# KiCad board fuyu.kicad_pcb (continued)
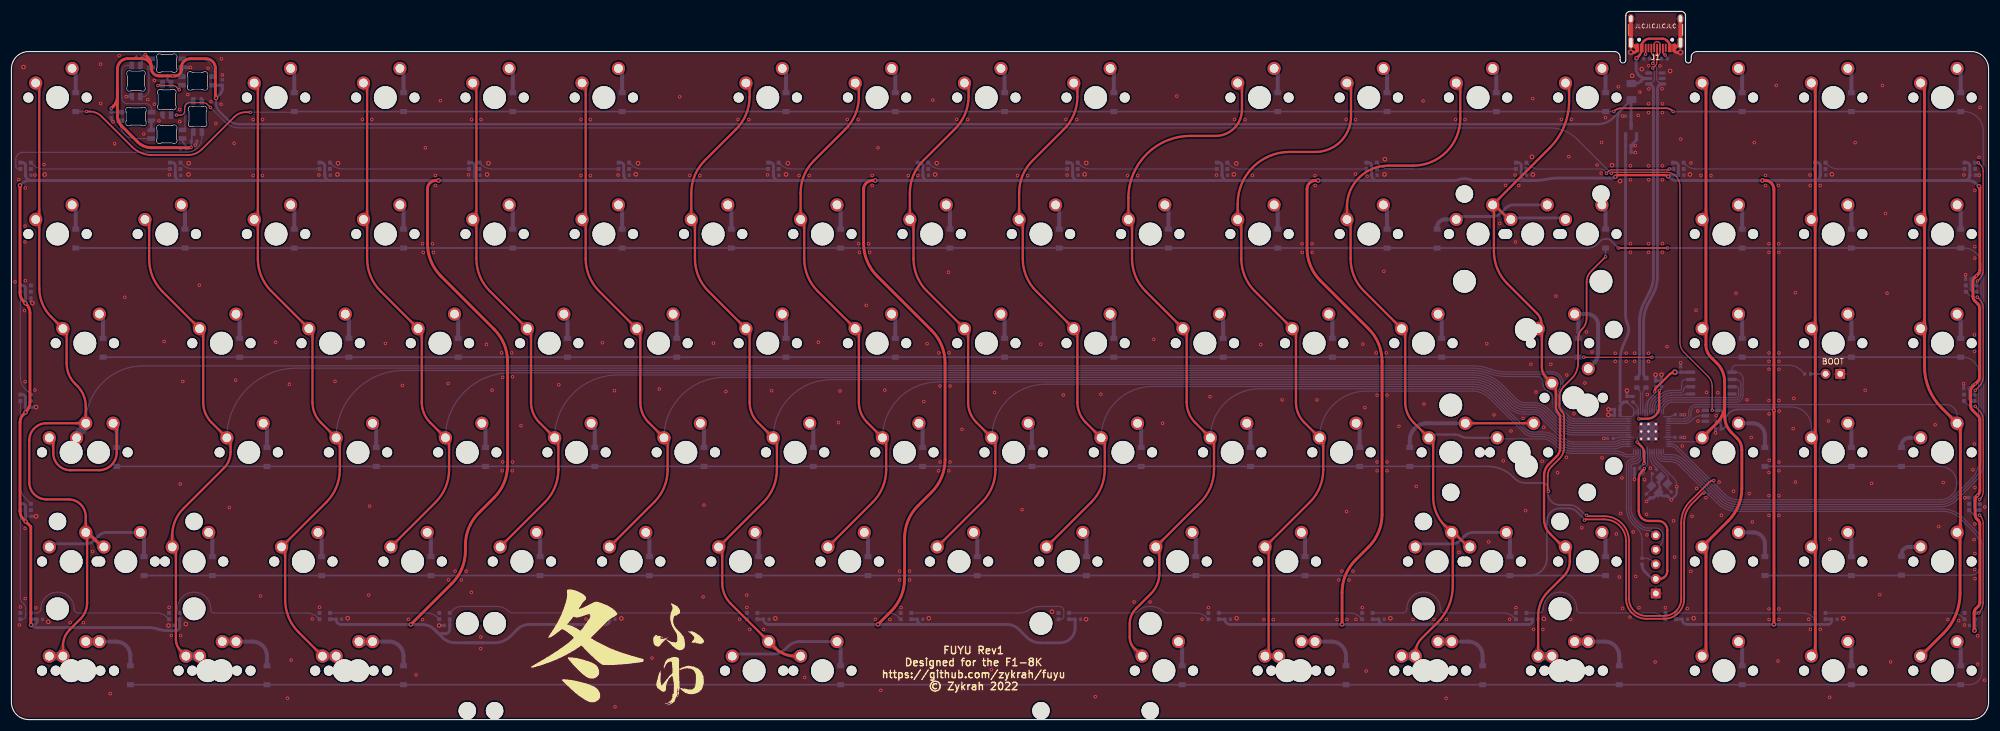
[diagram p0: board, top side]
## Routing (per net, layer and track width the routed paths; a pad name or vN(x,y) marks a point on that pad's centre or on a via; arc(x,y) is an arc through that point) (continued)
/D_+: length 4.4
  Bottom w0.2: R2.2 284.71,57.69 arc(284.47,57.33) 284.39,56.91 284.39,53.74
/D_-: length 4.4
  Bottom w0.2: R3.2 283.69,57.6 arc(283.91,57.28) 283.99,56.89 283.99,53.74
/XTAL_O: length 3.8
  Bottom w0.2: 285.92,42.77 Y1.1 285.92,40.27 C16.2
/~{USB_BOOT}: length 2.6
  Bottom w0.4: R5.1 SW0.2
ARGB_3V3: length 6.9
  Bottom w0.2: U2.4 291.71,51.67 arc(292.3,51.79) 292.8,52.12 293.17,52.49 arc(293.74,52.87) 294.41,53.01 U5.2
ARGB_5V: length 312.9
  Top w0.2: v1(296.49,53.96) 296.49,58.15 arc(296.3,59.1) 295.76,59.91 291.61,64.06 arc(291.06,64.88) 290.87,65.85 290.87,93.16 arc(290.18,94.82) 288.51,95.51 279.11,95.51 v1(278.91,95.31) ; v1(28.76,105.47) 29.48,105.47 arc(29.97,105.67) 30.17,106.16 30.17,106.66 arc(30.47,107.36) 31.17,107.66 33.43,107.66 arc(33.81,107.58) 34.14,107.36 v1(34.7,106.81)
  Bottom w0.2: v1(296.49,53.96) U5.4 ; v1(28.76,105.47) 28.76,105.46 LED1.3 ; v1(278.91,95.31) 272.89,101.32 arc(270.76,102.75) 268.24,103.25 39.74,103.25 arc(38.37,103.52) 37.21,104.29 37.21,104.3 v1(34.7,106.81)
COL0: length 412
  Top w0.4: SW1.1 4.85,110.44 4.85,87.9 4.22,87.27 4.85,86.63 4.85,75.26 arc(5.39,72.56) 6.92,70.28 SW36.1 9.61,67.58 9.61,62.15 arc(9.99,60.24) 11.08,58.62 11.48,58.21 arc(12.57,56.59) 12.95,54.68 SW54.2 6.11,51.7 arc(3.98,50.83) 3.11,48.7 3.11,41.42 arc(3.98,39.3) 6.11,38.42 9.95,38.42 arc(12.07,37.54) 12.95,35.42 SW72.2 13.19,32.42 13.19,20.37 arc(12.88,18.84) 12.01,17.55 10.15,15.68 arc(9.28,14.38) 8.98,12.85 SW92.1
  Top w0.5: SW73.1 15.82,30.12 13.28,32.66 SW72.2
  Bottom w0.2: U2.41 272.42,52.47 arc(272,52.55) 271.64,52.79 270.54,53.9 arc(270.14,54.5) 270,55.2 270,56.59 arc(270.05,57.03) 270.21,57.44 arc(270.42,57.97) 270.49,58.53 270.49,58.72 arc(269.92,60.09) 268.55,60.66 260.72,60.66 arc(259.2,60.79) 257.73,61.2 arc(256.32,61.59) 254.86,61.72 22.96,61.72 arc(15.88,58.78) SW54.2
  Bottom w1.5: SW92.1 SW91.1 ; SW54.2 12.95,51.23 11.36,49.64 SW55.1
COL1: length 346.9
  Top w0.4: SW93.1 29.54,11.93 arc(28.89,12.91) 28.66,14.05 28.66,29.48 SW74.1 28.03,32.15 arc(28.53,34.67) 29.96,36.81 37.04,43.89 arc(37.89,45.16) 38.19,46.66 38.19,48.53 SW56.1 34.89,51.83 arc(33.81,53.45) 33.42,55.36 33.42,67.58 SW37.1 26.35,74.66 arc(24.61,77.25) 24.01,80.31 24.01,86.53 23.27,87.27
  Bottom w0.2: U2.40 272.39,52.07 arc(271.84,52.18) 271.37,52.49 270.19,53.67 arc(269.73,54.36) 269.56,55.18 269.56,56.64 arc(269.63,57.14) 269.81,57.6 arc(270.02,58.11) 270.09,58.66 270.09,58.71 arc(269.63,59.81) 268.54,60.26 260.71,60.26 arc(259.12,60.4) 257.58,60.82 arc(256.23,61.19) 254.84,61.32 49.7,61.32 arc(41.11,57.76) SW56.1
  Bottom w1.5: SW94.1 SW93.1
COL2: length 352.5
  Top w0.4: SW2.1 42.95,110.44 42.95,87.9 42.31,87.27 42.95,86.63 42.95,80.42 arc(43.56,77.36) 45.29,74.76 SW38.1 52.48,67.58 52.48,55.36 arc(52.86,53.45) 53.94,51.83 SW57.1 57.24,48.53 57.24,43.59 arc(56.63,40.53) 54.89,37.93 SW75.1 47.71,29.48 47.71,20.89 arc(48.32,17.83) 50.06,15.23 SW95.1
  Bottom w0.2: U2.38 272.35,51.27 arc(271.52,51.44) 270.82,51.9 269.53,53.19 arc(268.94,54.07) 268.74,55.11 268.74,55.89 arc(268.51,56.7) 267.9,57.28 267.76,57.35 arc(267.19,57.88) 266.99,58.63 266.99,58.93 arc(266.71,59.59) 266.06,59.86 260.69,59.86 arc(259.04,60) 257.45,60.44 arc(256.15,60.8) 254.82,60.92 68.36,60.92 arc(60.04,57.48) SW57.1
  Bottom w1.5: SW95.1 SW96.1
COL3: length 307.1
  Top w0.4: SW3.1 62,110.44 62,87.9 61.37,87.27 62,86.63 62,80.42 arc(62.61,77.36) 64.34,74.76 SW39.1 71.53,67.58 71.53,55.36 arc(71.91,53.45) 72.99,51.83 SW58.1 76.29,48.53 76.29,43.59 arc(75.68,40.53) 73.94,37.93 SW76.1
  Bottom w0.2: U2.37 272.33,50.87 arc(271.35,51.07) 270.52,51.62 267.88,54.26 arc(266.76,55.01) 265.42,55.28 263.9,55.28 arc(263.08,55.44) 262.39,55.9 259.88,58.41 arc(257.55,59.97) 254.79,60.52 87.01,60.52 arc(78.98,57.19) SW58.1
COL4: length 287.8
  Top w0.4: SW4.1 81.05,110.44 81.05,87.9 80.42,87.27 81.05,86.63 81.05,80.42 arc(81.66,77.36) 83.39,74.76 SW40.1 90.58,67.58 90.58,55.36 arc(90.96,53.45) 92.04,51.83 SW59.1 95.34,48.53 95.34,43.59 arc(94.73,40.53) 92.99,37.93 SW77.1
  Bottom w0.2: U2.36 272.31,50.47 arc(271.19,50.69) 270.25,51.33 267.61,53.96 arc(266.6,54.64) 265.4,54.88 263.88,54.88 arc(262.92,55.07) 262.11,55.61 259.61,58.11 arc(257.39,59.6) 254.77,60.12 105.65,60.12 arc(97.91,56.91) SW59.1
COL5: length 268.5
  Top w0.4: SW78.1 112.04,37.93 arc(113.78,40.53) 114.39,43.59 114.39,48.53 SW60.1 111.09,51.83 arc(110.01,53.45) 109.63,55.36 109.63,67.58 SW41.1 102.44,74.76 arc(100.71,77.36) 100.1,80.42 100.1,86.63 99.46,87.27 100.1,87.9 100.1,110.44 SW5.1
  Bottom w0.2: U2.35 272.29,50.07 arc(271.03,50.32) 269.97,51.03 267.32,53.68 arc(266.44,54.27) 265.4,54.48 263.87,54.48 arc(262.77,54.7) 261.83,55.32 259.33,57.82 arc(257.23,59.22) 254.75,59.72 124.31,59.72 arc(116.84,56.63) SW60.1
COL6: length 278.8
  Top w0.4: SW6.1 128.68,110.44 128.68,108.68 arc(128.07,105.61) 126.33,103.02 120.86,97.55 arc(119.12,94.95) 118.52,91.89 118.52,87.27 119.15,86.63 119.15,80.42 arc(119.76,77.36) 121.49,74.76 SW42.1 128.68,67.58 128.68,55.36 arc(129.06,53.45) 130.14,51.83 SW61.1 133.44,48.53 133.44,43.59 arc(132.83,40.53) 131.09,37.93 SW79.1 123.91,29.48 123.91,23.77 arc(124.29,21.86) 125.38,20.24 132.01,13.6
  Top w0.5: 132.01,13.6 133.08,12.53 arc(134.71,11.45) 136.62,11.06 SW98.1
  Bottom w0.2: U2.34 272.27,49.67 arc(270.88,49.95) 269.7,50.74 267.04,53.39 arc(266.28,53.9) 265.39,54.08 263.85,54.08 arc(262.61,54.33) 261.55,55.03 259.05,57.53 arc(257.07,58.85) 254.74,59.32 142.95,59.32 arc(135.78,56.34) SW61.1
COL7: length 233.7
  Top w0.4: SW7.1 147.73,110.44 147.73,108.68 arc(147.12,105.61) 145.38,103.02 139.91,97.55 arc(138.17,94.95) 137.56,91.89 137.56,87.27 138.2,86.63 138.2,80.42 arc(138.81,77.36) 140.54,74.76 SW43.1 147.73,67.58 147.73,55.36 arc(148.11,53.45) 149.19,51.83 SW62.1 152.49,48.53 152.49,43.59 arc(151.88,40.53) 150.14,37.93 SW80.1
  Bottom w0.2: U2.32 281,48.87 arc(280.53,48.82) 280.09,48.66 279.83,48.54 arc(279.62,48.46) 279.4,48.44 272.21,48.44 arc(271.48,48.58) 270.87,48.99 266.76,53.11 arc(266.12,53.53) 265.38,53.68 263.83,53.68 arc(262.45,53.95) 261.28,54.73 258.77,57.24 arc(256.91,58.48) 254.72,58.92 161.6,58.92 arc(154.71,56.06) SW62.1
COL8: length 214.5
  Top w0.4: SW81.1 169.19,37.93 arc(170.93,40.53) 171.54,43.59 171.54,48.53 SW63.1 168.24,51.83 arc(167.16,53.45) 166.77,55.36 166.77,67.58 SW44.1 159.59,74.76 arc(157.86,77.36) 157.25,80.42 157.25,86.63 156.62,87.27 156.62,91.89 arc(157.22,94.95) 158.96,97.55 164.51,103.1 arc(166.25,105.69) 166.86,108.76 166.86,110.3 166.14,111.02
  Bottom w0.2: U2.31 281.01,48.47 arc(280.63,48.43) 280.26,48.3 280,48.18 arc(279.71,48.07) 279.4,48.04 272.19,48.04 arc(271.33,48.21) 270.59,48.7 266.47,52.83 arc(265.97,53.16) 265.38,53.28 263.81,53.28 arc(262.29,53.58) 261,54.44 258.49,56.95 arc(256.76,58.11) 254.71,58.52 180.26,58.52 arc(173.64,55.78) SW63.1
COL9: length 195.1
  Top w0.4: 185.19,111.02 185.82,110.38 185.82,108.68 arc(185.22,105.61) 183.48,103.02 178.01,97.55 arc(176.27,94.95) 175.67,91.89 175.67,87.27 176.3,86.63 176.3,80.42 arc(176.91,77.36) 178.64,74.76 SW45.1 185.82,67.58 185.82,55.36 arc(186.21,53.45) 187.29,51.83 SW64.1 190.59,48.53 190.59,43.59 arc(189.98,40.53) 188.24,37.93 SW82.1
  Bottom w0.2: U2.30 281.01,48.07 arc(280.72,48.04) 280.44,47.94 280.17,47.81 arc(279.8,47.68) 279.4,47.64 272.18,47.64 arc(271.17,47.84) 270.32,48.41 269.75,48.98 arc(268.41,49.87) 266.83,50.19 265.22,50.19 arc(264.73,50.29) 264.31,50.57 258.21,56.66 arc(256.6,57.74) 254.69,58.12 198.9,58.12 arc(192.57,55.5) SW64.1
COL10: length 207.5
  Top w0.4: SW10.1 214.51,110.33 214.51,106.46 arc(213.16,103.2) 209.9,101.85 205.56,101.85 arc(197.89,98.67) 194.71,91.01 194.71,87.27 195.35,86.63 195.35,80.42 arc(195.96,77.36) 197.69,74.76 SW46.1 204.88,67.58 204.88,55.36 arc(205.26,53.45) 206.34,51.83 SW65.1 209.64,48.53 209.64,43.59 arc(209.03,40.53) 207.29,37.93 SW83.1 200.11,29.48 200.11,25.51 arc(199.73,23.59) 198.65,21.97 196.06,19.39 arc(195.23,18.14) 194.94,16.68 194.94,14.36 arc(195.15,13.31) 195.74,12.42 SW99.1
  Bottom w0.2: U2.29 281.03,47.67 arc(280.8,47.65) 280.59,47.57 280.34,47.45 arc(279.88,47.29) 279.4,47.24 272.18,47.24 arc(271.02,47.47) 270.04,48.12 269.48,48.68 arc(268.26,49.5) 266.81,49.79 265.22,49.79 arc(264.57,49.92) 264.02,50.28 257.93,56.37 arc(256.44,57.37) 254.68,57.72 217.56,57.72 arc(211.51,55.21) SW65.1
COL11: length 189.7
  Top w0.4: SW11.1 233.52,110.37 233.52,105.27 arc(231.7,100.87) 227.3,99.05 222.82,99.05 arc(216.42,96.4) 213.76,90 213.76,87.27 214.4,86.63 214.4,80.42 arc(215.01,77.36) 216.74,74.76 SW47.1 223.93,67.58 223.93,55.36 arc(224.31,53.45) 225.39,51.83 SW66.1 228.69,48.53 228.69,43.59 arc(228.08,40.53) 226.34,37.93 SW84.1 219.16,29.48 219.16,11.7 SW100.1
  Bottom w0.2: U2.28 282.79,46.38 arc(282.74,46.27) 282.63,46.23 281.73,46.23 arc(281.48,46.26) 281.25,46.35 280.95,46.51 arc(280.34,46.76) 279.69,46.84 272.17,46.84 arc(270.87,47.1) 269.77,47.83 269.21,48.39 arc(268.1,49.13) 266.8,49.39 265.2,49.39 arc(264.41,49.54) 263.74,49.99 257.65,56.08 arc(256.28,57) 254.67,57.32 236.21,57.32 arc(230.44,54.93) SW66.1
  Bottom w1: SW100.1 SW101.1
COL12: length 167.1
  Top w0.4: SW103.1 244.72,11.39 arc(245.03,12.92) 245.89,14.22 248.66,16.99 arc(250.59,19.87) 251.27,23.28 251.27,32.46 SW85.2 ; SW12.1 252.57,110.37 252.57,104.9 arc(250.16,99.07) 244.34,96.66 240,96.66 arc(234.92,94.55) 232.81,89.47 232.81,87.27 233.45,86.63 233.45,80.42 arc(234.06,77.36) 235.79,74.76 SW48.1 242.98,67.58 242.98,55.36 arc(243.36,53.45) 244.44,51.83 SW67.1 247.85,48.42 247.85,38.78 arc(248.38,36.1) 249.9,33.83 SW85.2 ; SW86.1 253.98,30.12 251.44,32.66 SW85.2
  Bottom w0.2: U2.27 283.19,46.37 arc(283.03,45.98) 282.64,45.83 281.72,45.83 arc(281.39,45.87) 281.08,45.99 280.76,46.16 arc(280.23,46.37) 279.66,46.44 272.15,46.44 arc(270.71,46.72) 269.49,47.54 268.95,48.08 arc(267.95,48.75) 266.77,48.99 259.19,48.99 SW68.1
  Bottom w0.4: SW67.1 247.67,49.73 251.66,49.73 arc(252.11,49.68) 252.54,49.52 252.85,49.37 arc(253.28,49.22) 253.73,49.17 SW68.1
  Bottom w1.5: SW102.1 SW103.1
COL13: length 149.5
  Top w0.4: 261.39,87.27 261.08,87.27 258.54,89.81 SW30.2 ; SW13.1 271.54,110.45 271.54,107.92 arc(270.66,103.5) 268.16,99.75 SW30.2 ; SW30.2 258.43,89.59 258.43,81.71 arc(259.04,78.65) 260.78,76.05 266.03,70.81 arc(266.54,70.03) 266.73,69.12 266.73,68.79 SW49.1 266.79,67.58 266.79,61.5 arc(266.98,60.52) 267.54,59.68 SW50.1 269.23,58 269.23,54.67 arc(269.37,53.94) 269.79,53.32 arc(269.92,53.12) 269.96,52.89 269.96,47.34 arc(269.81,46.58) 269.38,45.93 267.99,44.54 arc(267.39,43.64) 267.17,42.58 267.17,34.99 arc(267.46,33.58) 268.26,32.38 270.52,30.12 SW87.1 271.67,29.37 271.67,27.62 arc(271.39,26.22) 270.59,25.03 267.91,22.35 arc(266.61,20.4) 266.15,18.1 SW104.1
  Bottom w0.2: U2.39 272.37,51.67 arc(271.68,51.81) 271.09,52.2 269.86,53.44 arc(269.33,54.22) 269.15,55.15 269.15,58.08 SW50.1
  Bottom w0.5: 270.92,87.27 270.64,87.54 261.67,87.54 261.39,87.27
  Bottom w1.5: SW104.1 SW105.1
COL14: length 120.9
  Top w0.5: SW69.1 297.27,51.71 arc(298.3,53.24) 298.66,55.05 298.66,55.99 ; SW106.1 295.41,11.74 295.41,29.44 SW88.1 299.32,34.71 arc(301.05,37.29) 301.66,40.34 301.66,47.1 arc(301.44,48.18) 300.82,49.1 299.86,50.07 arc(298.97,51.4) 298.66,52.97 298.66,55.99 ; 298.66,55.99 298.66,58.94 arc(298.3,60.7) 297.3,62.2 296.27,63.23 arc(295.62,64.2) 295.4,65.35 295.4,67.55 SW51.1 295.4,68.88 295.4,86.6 294.73,87.27 295.41,87.94 295.41,110.4 SW14.1
  Bottom w0.2: U2.12 294.03,48.47 SW69.1
COL15: length 133.3
  Top w0.5: SW107.1 314.47,11.75 314.47,29.43 SW89.1 314.48,30.81 314.48,48.47 SW70.1 314.46,49.84 314.46,67.54 SW52.1 314.44,68.88 314.44,86.6 313.78,87.27 314.46,87.94 314.46,110.4 SW15.1
  Bottom w0.2: SW70.1 313.78,51.07 arc(312.76,53.54) 310.29,54.56 293.76,54.56 arc(293.08,54.28) 292.8,53.59 292.8,53.16 arc(292.48,52.39) 291.71,52.07 U2.3
COL16: length 160.8
  Top w0.5: SW16.1 333.5,110.41 333.5,87.93 332.83,87.27 333.5,86.59 333.5,68.89 SW53.1 333.5,67.54 333.5,61.56 arc(334.27,57.7) 336.46,54.42 SW71.2 339.75,51.13 339.75,33.23 SW90.2 339.69,32.14 339.69,22.02 arc(338.94,18.24) 336.81,15.04 SW108.1
  Bottom w0.2: SW71.2 339.18,53.06 arc(338.62,54.4) 337.28,54.96 293.75,54.96 arc(292.79,54.56) 292.4,53.61 292.4,53.17 arc(292.19,52.68) 291.7,52.47 U2.2
CS: length 35.3
  Bottom w0.2: R5.2 312.01,60.92 arc(310.99,61.6) 309.79,61.84 300.69,61.84 arc(300.16,61.62) 299.95,61.09 U4.1 ; U2.56 287.99,54.1 arc(288.03,54.35) 288.17,54.55 288.68,55.06 arc(289.02,55.29) 289.42,55.37 300.63,55.37 arc(301.52,55.74) 301.89,56.63 301.89,59.41 arc(301.53,60.26) 300.69,60.61 U4.1 ; U4.1 299.95,60.81
DBUS+: length 61.8
  Top w0.2: 286.38,115.45 286.38,115.09 arc(286.32,114.77) v1(286.13,114.5) ; 286.38,115.45 arc(286.43,115.7) 286.58,115.92 286.77,116.11 arc(286.85,116.27) 286.88,116.45 J1.A6 ; 286.38,115.45 arc(286.33,115.7) 286.19,115.91 286.06,116.04 arc(285.93,116.24) 285.88,116.47 J1.B6
  Bottom w0.2: v1(286.13,114.5) 286.19,114.5 286.59,114.1 arc(286.75,113.85) 286.81,113.57 286.81,111.78 arc(286.85,111.54) 286.99,111.34 287.41,110.92 U3.3
  Bottom w0.5: U3.3 287.5,110.92 287.24,110.65 arc(287.02,110.33) 286.94,109.94 286.94,77.27 arc(286.76,75.76) 286.22,74.34 285.28,72.52 arc(284.71,71.03) 284.52,69.44 284.52,60.42 arc(284.6,60.04) 284.82,59.71 R2.1
DBUS-: length 62.6
  Top w0.2: v1(286.13,113.7) 286.19,113.7 286.6,114.11 arc(286.77,114.37) 286.84,114.68 286.84,115.24 arc(286.9,115.55) 287.08,115.82 287.14,115.88 arc(287.32,116.15) 287.38,116.46 J1.B7 287.38,117.84 arc(287.25,118.16) 286.93,118.29 286.82,118.29 arc(286.51,118.16) 286.38,117.85 J1.A7
  Bottom w0.2: U3.4 285.78,110.92 286.22,111.37 arc(286.35,111.56) 286.39,111.78 286.39,113.07 arc(286.33,113.41) v1(286.13,113.7)
  Bottom w0.5: U3.4 285.68,110.92 285.95,110.64 arc(286.17,110.32) 286.25,109.93 286.25,77.31 arc(286.08,75.94) 285.59,74.64 284.65,72.84 arc(284.03,71.2) 283.82,69.47 283.82,60.45 arc(283.75,60.07) 283.53,59.75 R3.1
QSPI_CLK: length 8.9
  Bottom w0.2: U4.6 291.93,58.07 arc(291.66,57.96) 291.55,57.69 arc(291.35,57.22) 290.87,57.02 289.39,57.02 arc(288.42,56.83) 287.6,56.28 287.04,55.72 arc(286.55,55) 286.38,54.14 U2.52
ROW0: length 462.5
  Top w0.3: v1(13.08,106.1) 13.62,106.1 arc(14.77,105.87) 15.74,105.22 21.04,99.92 arc(22.61,98.87) 24.45,98.51 30.76,98.51 arc(32.09,98.77) 33.21,99.52 38.86,105.18 arc(39.75,105.77) 40.8,105.98 v1(41.66,105.98) ; v1(289.68,106.1) 289.57,106.21 arc(289.04,106.55) 288.43,106.68 280.62,106.68 arc(279.97,106.55) 279.42,106.18 v1(279.34,106.1)
  Bottom w0.2: D2.1 49.18,105.98 v1(41.66,105.98) ; D16.1 340.36,106.09 arc(342.75,105.1) 343.75,102.71 343.75,44.91 arc(343.38,43.09) 342.35,41.55 339.11,38.31 arc(337.81,37.43) 336.27,37.13 300.85,37.13 arc(299.3,37.44) 297.99,38.31 291.3,45 arc(290.39,45.61) 289.31,45.83 288.17,45.83 arc(287.76,46) 287.59,46.42 U2.16
  Bottom w0.3: D2.1 D13.1 277.9,106.1 v1(279.34,106.1) ; v1(289.68,106.1) 289.69,106.09 301.71,106.09 D14.1 D16.1 ; v1(13.08,106.1) 11.2,106.1 D1.1
ROW1: length 432.3
  Top w0.3: v1(280.13,82.29) v1(288.71,82.29)
  Bottom w0.2: U2.15 287.99,46.44 arc(288.04,46.3) 288.19,46.24 289.32,46.24 arc(290.53,46) 291.57,45.3 298.27,38.6 arc(299.46,37.81) 300.86,37.53 336.24,37.53 arc(337.64,37.81) 338.82,38.6 342.06,41.83 arc(343.01,43.26) 343.35,44.93 343.35,79.33 arc(342.48,81.42) 340.4,82.28 D34.1
  Bottom w0.3: D17.1 D30.1 274.76,82.28 arc(275.7,82.47) 276.5,83 277.06,83.56 arc(277.39,83.78) 277.77,83.86 278.15,83.86 arc(278.53,83.78) 278.86,83.56 v1(280.13,82.29) ; v1(288.71,82.29) 301.71,82.29 D32.1 D34.1
ROW2: length 405.6
  Top w0.2: v1(274.1,63.23) 274.11,63.22 v1(285.99,63.22)
  Bottom w0.2: v1(274.1,63.23) 274.09,63.23 D48.1 ; v1(285.99,63.22) 301.7,63.22 D49.1 ; U2.14 289.25,47.67 arc(289.73,47.57) 290.14,47.3 298.52,38.92 arc(299.6,38.2) 300.87,37.95 336.23,37.95 arc(337.5,38.2) 338.58,38.92 341.77,42.12 arc(342.64,43.41) 342.94,44.94 342.94,60.52 arc(342.15,62.44) 340.23,63.23 D51.1
  Bottom w0.3: D49.1 D51.1 ; D35.1 D47.1 D48.1
ROW3: length 454.9
  Top w0.3: v1(274.61,35.65) 274.77,35.49 277.7,35.49 arc(280.73,34.23) 281.99,31.2 281.99,21.09 arc(282.86,18.97) 284.99,18.09 288.09,18.09 arc(290.21,18.97) 291.09,21.09 291.09,34.37 arc(291.49,36.37) 292.62,38.06 296.02,41.46 arc(296.31,41.66) 296.66,41.73 v1(296.79,41.73) ; v1(267.96,39.85) 267.81,39.99 267.81,42.5 arc(267.99,43.4) 268.51,44.17 269.85,45.51 arc(270.46,46.43) 270.68,47.52 270.68,52.86 arc(270.58,53.36) 270.3,53.79 arc(269.96,54.29) 269.85,54.88 269.85,56.33 arc(270.03,57.28) 270.57,58.08 271.98,59.5 arc(272.82,60.75) 273.11,62.22 273.11,66.44 arc(273.3,67.37) 273.82,68.16 arc(274.39,69.01) 274.59,70.02 274.59,76.38 arc(274.79,77.37) 275.35,78.21 v1(277.9,80.76)
  Bottom w0.2: 297.62,40.39 298.8,39.21 arc(299.76,38.57) 300.89,38.35 336.23,38.35 arc(338.28,39.2) 339.12,41.25 339.12,41.28 arc(338.28,43.33) 336.23,44.18 D67.1 ; 297.62,40.39 297.08,40.93 arc(296.86,41.26) 296.79,41.64 v1(296.79,41.73) ; 297.62,40.39 290.42,47.6 arc(289.89,47.95) 289.27,48.07 U2.13
  Bottom w0.3: D65.1 D67.1 ; D31.1 v1(277.9,80.76) ; D52.1 257.38,44.18 arc(259.74,43.71) 261.73,42.38 261.99,42.12 arc(262.91,41.5) 264.01,41.29 266.82,41.29 arc(267.62,40.96) 267.96,40.16 v1(267.96,39.85) 267.81,39.7 267.81,39.56 arc(268.42,38.07) 269.92,37.45 271.54,37.45 arc(272.51,37.25) 273.34,36.7 274.4,35.65 v1(274.61,35.65)
ROW4: length 438.6
  Top w0.3: 294.91,39.56 v1(295.05,39.56) 294.86,39.56 292.98,37.68 arc(291.96,36.16) 291.61,34.37 291.61,21.05 arc(290.59,18.6) 288.13,17.58 284.96,17.58 arc(282.5,18.6) 281.48,21.07 281.48,31.13 arc(280.36,33.82) 277.68,34.93 274.36,34.93 v1(274.22,34.79)
  Bottom w0.2: D84.1 341.65,25.19 arc(342.71,25.63) 343.15,26.7 343.15,30.02 arc(342.84,31.58) 341.96,32.9 339.8,35.05 arc(338.39,36) 336.72,36.33 300.83,36.33 arc(298.95,36.7) 297.35,37.77 296,39.13 ; v1(295.05,39.56) 295.22,39.56 arc(295.54,39.49) 295.81,39.32 296,39.13 ; U2.18 286.79,46.4 arc(287.19,45.42) 288.17,45.02 289.28,45.02 arc(290.04,44.87) 290.69,44.43 296,39.13
  Bottom w0.3: D84.1 329.43,25.13 D82.1 ; D68.1 D81.1 ; D80.1 264.68,25.13 arc(266.8,26.01) 267.68,28.13 267.68,34.6 arc(268.33,36.19) 269.92,36.85 271.52,36.85 arc(272.28,36.7) 272.93,36.26 274.22,34.98 v1(274.22,34.79)
ROW5: length 409.9
  Bottom w0.2: D95.1 341.27,6.08 arc(342.89,6.75) 343.56,8.36 343.55,8.37 343.55,30.04 arc(343.21,31.74) 342.25,33.17 340.08,35.34 arc(338.55,36.37) 336.74,36.73 300.85,36.73 arc(299.14,37.07) 297.69,38.04 291.02,44.7 arc(290.23,45.23) 289.29,45.42 288.18,45.42 arc(287.48,45.71) 287.19,46.41 U2.17
  Bottom w0.3: D85.1 D95.1
SD0: length 7.7
  Bottom w0.2: U2.53 286.79,54.13 arc(286.93,54.84) 287.33,55.44 287.86,55.97 arc(288.56,56.44) 289.39,56.61 290.98,56.61 arc(291.26,56.64) 291.53,56.73 arc(291.67,56.78) 291.83,56.8 U4.5
SD1: length 19.5
  Bottom w0.2: U2.55 287.59,54.12 arc(287.67,54.52) 287.89,54.87 288.38,55.35 arc(288.85,55.67) 289.41,55.78 300.6,55.78 arc(301.23,56.04) 301.49,56.66 301.49,58.53 arc(301.25,59.1) 300.67,59.34 U4.2
SD2: length 18
  Bottom w0.2: U4.3 300.68,58.07 arc(300.97,57.95) 301.09,57.66 301.09,56.68 arc(300.94,56.32) 300.59,56.18 289.4,56.18 arc(288.69,56.04) 288.09,55.64 287.61,55.15 arc(287.3,54.68) 287.19,54.13 U2.54
SD3: length 10.4
  Bottom w0.2: U2.51 285.99,54.15 arc(286.18,55.15) 286.75,56.01 287.33,56.58 arc(288.27,57.21) 289.37,57.43 290.8,57.43 arc(291.04,57.53) 291.15,57.77 291.15,58.59 arc(291.37,59.12) 291.9,59.34 U4.7
SNOW_ARGB_OUT: length 37.8
  Bottom w0.2: D100.3 1.25,96.08 arc(0.89,96.23) 0.75,96.59 0.75,97.72 arc(1.12,98.62) 2.01,98.99 30.56,98.99 arc(32.42,99.76) 33.19,101.63 LED7.2
SWCLK: length 22.4
  Bottom w0.2: J2.4 287.41,30.39 arc(287.78,30.94) 287.91,31.58 287.91,32.16 arc(287.54,33.05) 286.65,33.41 285.16,33.41 arc(284.59,33.53) 284.11,33.84 283.24,34.71 arc(282.57,35.72) 282.34,36.91 282.34,44.16 arc(282.47,44.48) 282.79,44.61 arc(283.92,45.08) 284.38,46.21 U2.24
SWD: length 18.4
  Bottom w0.2: J2.5 286.09,32.72 arc(285.76,32.94) 285.38,33.01 285.14,33.01 arc(284.4,33.16) 283.76,33.58 282.99,34.36 arc(282.21,35.53) 281.94,36.9 281.94,44.25 arc(282.16,44.79) 282.7,45.01 282.71,45.01 arc(283.61,45.39) 283.99,46.29 U2.25
XTAL_IN: length 8.5
  Bottom w0.2: C15.2 288.67,40.38 Y1.3 288.79,41.26 288.79,42.24 arc(288.74,42.52) 288.58,42.76 286.72,44.62 arc(286.18,45.43) 285.99,46.39 U2.20
XTAL_OUT: length 3.6
  Bottom w0.2: U2.21 285.59,46.18 arc(285.79,45.14) 286.38,44.25 286.77,43.87 R4.2
~{RESET}: length 23.5
  Bottom w0.2: U2.26 283.59,46.36 arc(283.31,45.7) 282.64,45.42 282.62,45.42 arc(281.85,45.11) 281.54,44.34 281.54,36.89 arc(281.84,35.36) 282.71,34.06 283.5,33.27 arc(284.07,32.41) 284.27,31.4 R1.2 284.84,28.14 arc(285.53,28.01) 286.11,27.62 J2.3
Net-(D1-Pad2): length 4.5
  Bottom w0.7: SW1.2 11.2,112.98 D1.2
Net-(D2-Pad2): length 4.5
  Bottom w0.7: D2.2 49.3,112.98 SW2.2
Net-(D3-Pad2): length 4.5
  Bottom w0.7: D3.2 68.35,112.98 SW3.2
Net-(D4-Pad2): length 4.5
  Bottom w0.7: D4.2 87.4,112.98 SW4.2
Net-(D5-Pad2): length 4.5
  Bottom w0.7: SW5.2 106.45,112.98 D5.2
Net-(D6-Pad2): length 4.5
  Bottom w0.7: D6.2 135.02,112.98 SW6.2
Net-(D7-Pad2): length 4.5
  Bottom w0.7: SW7.2 154.07,112.98 D7.2
Net-(D8-Pad2): length 4.4
  Bottom w0.7: D8.2 173.12,112.92 172.49,113.56
Net-(D9-Pad2): length 4.4
  Bottom w0.7: D9.2 192.18,112.92 191.54,113.56
Net-(D10-Pad2): length 4.5
  Bottom w0.7: SW10.2 220.75,112.98 D10.2
Net-(D11-Pad2): length 4.5
  Bottom w0.7: SW11.2 239.8,112.98 D11.2
Net-(D12-Pad2): length 4.5
  Bottom w0.7: SW12.2 258.85,112.98 D12.2
Net-(D13-Pad2): length 4.5
  Bottom w0.7: SW13.2 277.9,112.98 D13.2
Net-(D14-Pad2): length 4.5
  Bottom w0.7: D14.2 301.71,112.98 SW14.2
Net-(D15-Pad2): length 4.5
  Bottom w0.7: SW15.2 320.76,112.98 D15.2
Net-(D16-Pad2): length 4.5
  Bottom w0.7: SW16.2 339.81,112.98 D16.2
Net-(D17-Pad2): length 4.5
  Bottom w0.7: SW17.2 11.2,89.17 D17.2
Net-(D18-Pad2): length 4.5
  Bottom w0.7: SW18.2 30.25,89.17 D18.2
Net-(D19-Pad2): length 4.5
  Bottom w0.7: D19.2 49.3,89.17 SW19.2
Net-(D20-Pad2): length 4.5
  Bottom w0.7: SW20.2 68.35,89.17 D20.2
Net-(D21-Pad2): length 4.5
  Bottom w0.7: D21.2 87.4,89.17 SW21.2
Net-(D22-Pad2): length 4.5
  Bottom w0.7: SW22.2 106.45,89.17 D22.2
Net-(D23-Pad2): length 4.5
  Bottom w0.7: D23.2 125.5,89.17 SW23.2
Net-(D24-Pad2): length 4.5
  Bottom w0.7: D24.2 144.55,89.17 SW24.2
Net-(D25-Pad2): length 4.5
  Bottom w0.7: SW25.2 163.6,89.17 D25.2
Net-(D26-Pad2): length 4.5
  Bottom w0.7: SW26.2 182.65,89.17 D26.2
Net-(D27-Pad2): length 4.5
  Bottom w0.7: SW27.2 201.7,89.17 D27.2
Net-(D28-Pad2): length 4.5
  Bottom w0.7: SW28.2 220.75,89.17 D28.2
Net-(D29-Pad2): length 4.5
  Bottom w0.7: D29.2 239.8,89.17 SW29.2
Net-(D30-Pad2): length 21.2
  Bottom w0.5: SW31.2 261.87,89.81 arc(261.1,89.65) 260.45,89.22 259.61,88.37 arc(258.96,87.94) 258.19,87.79 252.39,87.79 251.87,87.27
  Bottom w0.7: D30.2 248.53,85.92 arc(248.93,86.87) 249.88,87.27 251.87,87.27
Net-(D31-Pad2): length 4.5
  Bottom w0.7: SW32.2 277.9,89.17 D31.2
Net-(D32-Pad2): length 4.5
  Bottom w0.7: SW33.2 301.71,89.17 D32.2
Net-(D33-Pad2): length 4.5
  Bottom w0.7: D33.2 320.76,89.17 SW34.2
Net-(D34-Pad2): length 4.5
  Bottom w0.7: D34.2 339.81,89.17 SW35.2
Net-(D35-Pad2): length 4.5
  Bottom w0.7: 15.33,70.76 15.96,70.12 D35.2
Net-(D36-Pad2): length 4.5
  Bottom w0.7: 39.14,70.76 39.78,70.12 D36.2
Net-(D37-Pad2): length 4.5
  Bottom w0.7: D37.2 58.83,70.12 58.19,70.76
Net-(D38-Pad2): length 4.5
  Bottom w0.7: 77.24,70.76 77.88,70.12 D38.2
Net-(D39-Pad2): length 4.5
  Bottom w0.7: 96.29,70.76 96.92,70.12 D39.2
Net-(D40-Pad2): length 4.5
  Bottom w0.7: D40.2 115.98,70.12 115.34,70.76
Net-(D41-Pad2): length 4.5
  Bottom w0.7: D41.2 135.02,70.12 134.39,70.76
Net-(D42-Pad2): length 4.5
  Bottom w0.7: D42.2 154.07,70.12 153.44,70.76
Net-(D43-Pad2): length 4.5
  Bottom w0.7: 172.49,70.76 173.12,70.12 D43.2
Net-(D44-Pad2): length 4.5
  Bottom w0.7: 191.54,70.76 192.18,70.12 D44.2
Net-(D45-Pad2): length 4.5
  Bottom w0.7: D45.2 211.23,70.12 210.59,70.76
Net-(D46-Pad2): length 4.5
  Bottom w0.7: D46.2 230.28,70.12 229.64,70.76
Net-(D47-Pad2): length 4.5
  Bottom w0.7: 248.69,70.76 249.32,70.12 D47.2
Net-(D48-Pad2): length 17.9
  Bottom w0.7: D48.2 273.14,70.12 272.5,70.76 274.7,70.76 arc(276.05,70.2) 276.61,68.85 276.61,63.9 arc(276.43,63.02) 275.93,62.28 SW50.2
Net-(D49-Pad2): length 4.5
  Bottom w0.7: 301.08,70.76 301.71,70.12 D49.2
Net-(D50-Pad2): length 4.5
  Bottom w0.7: D50.2 320.76,70.12 320.13,70.76
Net-(D51-Pad2): length 4.5
  Bottom w0.7: D51.2 339.81,70.12 339.18,70.76
Net-(D52-Pad2): length 27.3
  Top w0.4: SW54.1 7.29,48.48 7.29,46.51 arc(8.16,44.39) 10.28,43.51 15.25,43.51 arc(17.44,44.42) 18.35,46.61 18.35,51.07 SW55.2
  Bottom w0.7: SW55.2 18.34,51.07 D52.2
Net-(D53-Pad2): length 4.5
  Bottom w0.7: SW56.2 44.54,51.07 D53.2
Net-(D54-Pad2): length 4.5
  Bottom w0.7: D54.2 63.59,51.07 SW57.2